# Altium PCB TB-S5D5_v1.2.PcbDoc (part 1 of 3) (continued)
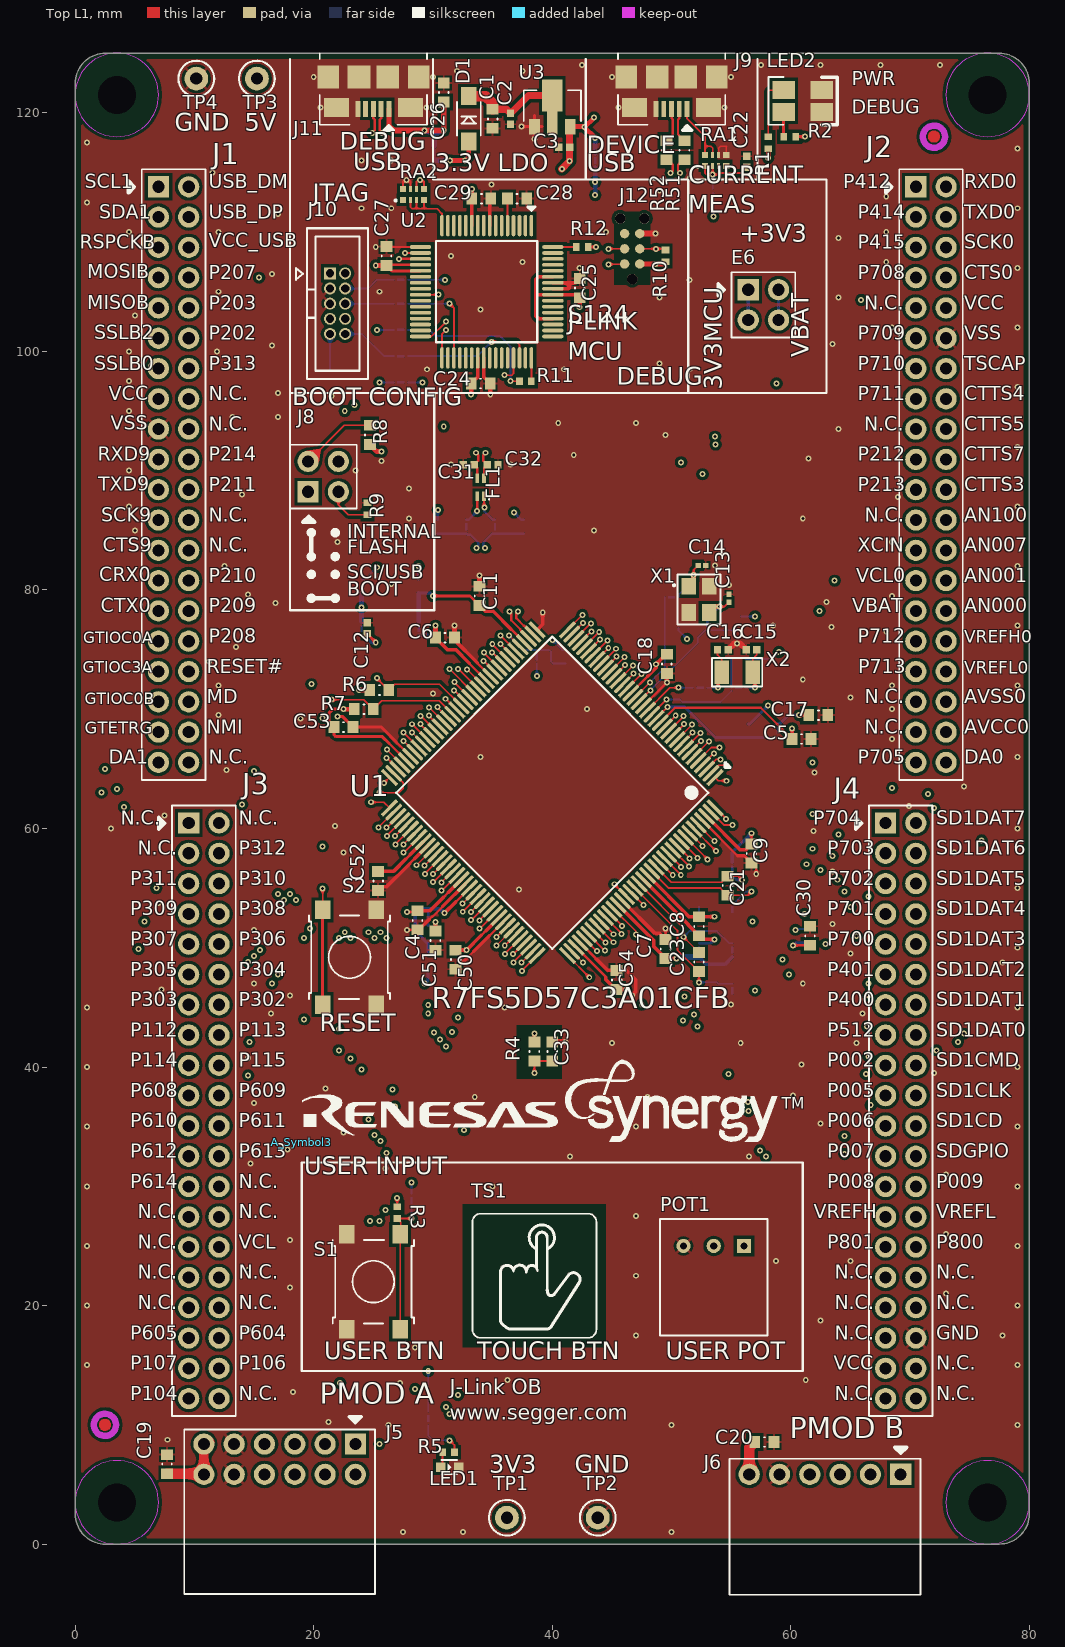
[diagram p0: Top L1 view]
## Components (designator, comment, footprint, x,y, rotation, side; value= is the part's Value field where it differs from the comment)
A_Logo1 "This BOM is for Engineering Use Only, NOT FOR PURCHASE USE." _SERIOUSENGINEERING 47,19.5 r180 bottom locked
A_Symbol1 "This Symbol Placed on PCB only." ChinaRoHS-7mm 35.4,30.8 r180 bottom
A_Symbol2 "This Symbol Placed on PCB only." RenesasSynergyLogo45x7 62.6,58.6 r180 bottom
A_Symbol3 "This Symbol Placed on PCB only." RenesasSynergyLogo42x7 19,33.7 r0 top locked
C1 "CAP-000029-01" CAPC0603-01 35,119.5 r90 top locked
C2 "CAP-000063-01" CAPC0402-01 36.5,119.5 r90 top locked
C3 "CAP-000063-01" CAPC0402-01 41,117.1 r0 top locked
C4 "CAP-000043-01" CAPC0603-01 28.7,52.3 r90 top locked
C5 "CAP-000029-01" CAPC0603-01 60.9,67.5 r0 top locked
C6 "CAP-000029-01" CAPC0603-01 31,76 r0 top locked
C7 "CAP-000029-01" CAPC0603-01 49.5,49.9 r90 top locked
C8 "CAP-000029-01" CAPC0603-01 52.3,51.8 r90 top locked
C9 "CAP-000029-01" CAPC0603-01 56.7,57.9 r270 top locked
C11 "CAP-000029-01" CAPC0603-01 33.9,79.5 r90 top locked
C12 "CAP-000062-01" CAPC0402-01 24.5,76.8 r270 top locked
C13 "CAP-000081-01" CAPC0201-01 54.8,79.3 r270 top locked
C14 "CAP-000081-01" CAPC0201-01 52.55,82.05 r180 top locked
C15 "CAP-000059-01" CAPC0402-01 56.7,75 r0 top locked
C16 "CAP-000059-01" CAPC0402-01 54.3,75 r180 top locked
C17 "CAP-000029-01" CAPC0603-01 62.3,69.5 r0 top locked
C18 "CAP-000029-01" CAPC0603-01 49.6,73.8 r270 top locked
C19 "CAP-000043-01" CAPC0603-01 7.7,6.7 r270 top locked
C20 "CAP-000043-01" CAPC0603-01 57.78,8.565 r180 top locked
C21 "CAP-000029-01" CAPC0603-01 54.7,55.2 r90 top locked
C22 "CAP-000063-01" CAPC0402-01 56.3,115.9 r270 top locked
C23 "CAP-000029-01" CAPC0603-01 52.3,48.8 r90 top locked
C24 "CAP-000029-01" CAPC0603-01 34,97.3 r180 top locked
C25 "CAP-000029-01" CAPC0603-01 42.3,105.3 r270 top locked
C26 "CAP-000029-01" CAPC0603-01 30.9,121.7 r270 top locked
C27 "CAP-000029-01" CAPC0603-01 26.1,108 r270 top locked
C28 "CAP-000043-01" CAPC0603-01 37.05,112.8 r0 top locked
C29 "CAP-000029-01" CAPC0603-01 34.05,112.8 r180 top locked
C30 "CAP-000029-01" CAPC0603-01 61.6,51 r270 top
C31 "CAP-000127-01" CAPC0402-01 33,90.5 r0 top locked
C32 "CAP-000127-01" CAPC0402-01 35,90.5 r180 top locked
C33 "CAP-000040-01" CAPC0603-01 40,41.3 r270 top locked
C50 "CAP-000029-01" CAPC0603-01 31.9,49 r270 top
C51 "CAP-000029-01" CAPC0603-01 30.2,50.6 r270 top
C52 "CAP-000029-01" CAPC0603-01 25.4,55.6 r270 top
C53 "CAP-000029-01" CAPC0603-01 22.5,68.5 r0 top locked
C54 "CAP-000029-01" CAPC0603-01 45.4,47.3 r90 top
D1 "DIO-000012-01" ONSEMI_SOD-123LF 33,119.5 r90 top locked
E1 "Jumper Trace Cut" E_PADSTRACECUT0805 43.6,116 r180 bottom locked net-tie
E2 "Jumper Trace Cut" E_PADSTRACECUT0805 38.7,74.4 r180 bottom net-tie
E3 "Jumper Trace Cut" E_PADSTRACECUT0805 29.6,10.525 r180 bottom locked net-tie
E4 "Jumper Trace Cut" E_PADSTRACECUT0805 28.2,28.8 r180 bottom net-tie
E5 "Jumper Solder Bridge" E_PADSSPLIT0805 41.1,74.4 r0 bottom
E6 "Dual Trace-Cut Jumper TH" E_2x2pTH-TC100mil 57.7,103.9 r0 top net-tie
E8 "Jumper Trace Cut" E_PADSTRACECUT0805 28.8,76.775 r180 bottom locked net-tie
E10 "Jumper Trace Cut" E_PADSTRACECUT0805 52.3,49.8 r180 bottom locked net-tie
E11 "Jumper Trace Cut" E_PADSTRACECUT0805 52.3,53.2 r180 bottom locked net-tie
E12 "Jumper Solder Bridge" E_PADSSPLIT0805 24,80.3 r0 bottom locked
E14 "Jumper Solder Bridge" E_PADSSPLIT0805 28.8,80.3 r0 bottom locked
E15 "Jumper Trace Cut" E_PADSTRACECUT0805 24,76.775 r0 bottom locked net-tie
E16 "Jumper Trace Cut" E_PADSTRACECUT0805 35.2,85.3 r180 bottom locked net-tie
E17 "Jumper Trace Cut" E_PADSTRACECUT0805 32.8,85.3 r180 bottom locked net-tie
E18 "Jumper Solder Bridge" E_PADSSPLIT0805 55.8,77.2 r180 bottom locked
E19 "Jumper Solder Bridge" E_PADSSPLIT0805 50,76.8 r90 bottom locked
E20 "Jumper Solder Bridge" E_PADSSPLIT0805 30.4,85.3 r0 bottom locked
E21 "Jumper Solder Bridge" E_PADSSPLIT0805 37.6,85.3 r0 bottom locked
E22 "Jumper Solder Bridge" E_PADSSPLIT0805 55.6,74.2 r90 bottom locked
E23 "Jumper Trace Cut" E_PADSTRACECUT0805 53,77.2 r180 bottom locked net-tie
E24 "Jumper Trace Cut" E_PADSTRACECUT0805 50,79.4 r90 bottom locked net-tie
E25 "Jumper Trace Cut" E_PADSTRACECUT0805 55.6,71.8 r90 bottom locked net-tie
E26 "Jumper Trace Cut" E_PADSTRACECUT0805 52.4,71.8 r90 bottom locked net-tie
E28 "Jumper Solder Bridge" E_PADSSPLIT0805 56.4,68.2 r180 bottom locked
E29 "Jumper Trace Cut" E_PADSTRACECUT0805 58.9,68.2 r180 bottom locked net-tie
E30 "Jumper Trace Cut" E_PADSTRACECUT0805 53.5,113 r0 bottom locked net-tie
E31 "Jumper Solder Bridge" E_PADSSPLIT0805 21.4,97.8 r0 bottom locked
E32 "Jumper Trace Cut" E_PADSTRACECUT0805 27.3,97.4 r270 bottom locked net-tie
E33 "Jumper Trace Cut" E_PADSTRACECUT0805 27.3,99.6 r270 bottom locked net-tie
E34 "Jumper Trace Cut" E_PADSTRACECUT0805 27.3,104 r270 bottom locked net-tie
E35 "Jumper Trace Cut" E_PADSTRACECUT0805 30.1,116.7 r180 bottom locked net-tie
E36 "Jumper Solder Bridge" E_PADSSPLIT0805 61.6,51 r180 bottom
E37 "Jumper Trace Cut" E_PADSTRACECUT0805 27.3,101.8 r270 bottom locked net-tie
E38 "Jumper Trace Cut" E_PADSTRACECUT0805 27.3,106 r270 bottom locked net-tie
E50 "Jumper Trace Cut" E_PadsTraceCut0805 55.1,56.6 r0 bottom net-tie
E51 "Jumper Trace Cut" E_PadsTraceCut0805 55.1,53.2 r0 bottom net-tie
E52 "Jumper Trace Cut" E_PadsTraceCut0805 55.1,49.8 r180 bottom net-tie
E53 "Jumper Trace Cut" E_PadsTraceCut0805 55.1,46.4 r0 bottom net-tie
E54 "Jumper Trace Cut" E_PadsTraceCut0805 29.6,52.7 r0 bottom net-tie
E55 "Jumper Solder Bridge" E_PadsSplit0805 29.6,49.1 r180 bottom
FL1 "IND-000027-01" FL0504 34,88.6 r90 top locked
J1 "CON-000109-A1" J_2x20pHDR100mil 8.25,89.67 r0 top locked
J2 "CON-000109-A1" J_2x20pHDR100mil 71.75,89.67 r0 top locked
J3 "CON-000109-A1" J_2x20pHDR100mil 10.79,36.33 r0 top locked
J4 "CON-000109-A1" J_2x20pHDR100mil 69.21,36.33 r0 top locked
J5 "CON-000050-01" SAMTEC_SSW-106-02-F-D-RA-PMOD 17.14,7.12 r180 top locked
J6 "CON-000148-01" SAMTEC_SSW-106-02-F-S-RA 62.86,5.85 r180 top locked
J8 "CON-000174-01" FCI_77313-801-04LF 20.8,89.5 r0 top locked
J9 "CON-000116-01" FCI_10118192 50,123 r180 top locked
J10 "CON-REN001-01" J_10PTH2CX5R 22,104 r0 top locked
J11 "CON-000116-01" FCI_10118192 25,123 r180 top locked
J12 "CON-000241-01" TC2030NL 46.7,108.6 r90 top locked
LED1 "LED-000005-01" LED_0603-RED 31.4,6.45 r0 top locked
LED2 "LED-000001-01" LED_DIALIGHT-598-8610 61,121 r0 top locked
POT1 "POT-000001-02" BOURNS_3352T 53.54,25 r180 top locked
R1 "RES-000124-01" RESC0402-01 58.1,117.5 r90 top locked
R2 "RES-000140-01" RESC0402-01 59.9,118 r180 top locked
R3 "RES-000173-01" RESC0402-01 27,27.8 r90 top
R4 "RES-000206-01" RESC0603-01 38.5,41.3 r270 top locked
R5 "RES-000124-01" RESC0402-01 31.3,7.7 r0 top locked
R6 "RES-000091-01" RESC0603-01 25.5,71.6 r180 top locked
R7 "RES-000091-01" RESC0603-01 24.2,70 r180 top locked
R8 "RES-000091-01" RESC0603-01 24.7,93 r270 top
R9 "RES-000140-01" RESC0402-01 24.5,86.8 r270 top
R10 "RES-000127-01" RESC0402-01 49.5,108 r270 top locked
R11 "RES-000220-01" RESC0402-01 37.75,97.5 r0 top locked
R12 "RES-000220-01" RESC0402-01 42.5,108.75 r180 top locked
R51 "RES-R70620-01" RESC0603-01 51.075,116.863 r90 top
R52 "RES-R70620-01" RESC0603-01 49.575,116.863 r90 top
RA1 "RES-000117-01" RESCAF0804 53.7,116 r0 top locked
RA2 "RES-000117-01" RESCAF0804 28.363,113.15 r0 top locked
S1 "SWT-000013-01" SW_C&K_PTS645_43 25,22 r90 top locked
S2 "SWT-000013-01" SW_C&K_PTS645_43 23,49.2 r270 top locked
TP1 "Test Point" TP_40milTHpad 36.19,2.215 r180 top locked
TP2 "Test Point" TP_40milTHpad 43.81,2.215 r180 top locked
TP3 "Test Point" TP_40milTHpad 15.235,122.865 r180 top locked
TP4 "Test Point" TP_40milTHpad 10.155,122.865 r180 top locked
TS1 "TOUCH_PAD_OL" RENESAS_TSP_OL 38.5,22.5 r0 top locked
U1 "ICN-R01001-01" RENESAS_PLQP0144KA-B_N 40,63 r225 top locked
U2 "ICN-000202-01" RENESAS_PLQP0064KB-A_N 34.5,105 r270 top locked
U3 "ICN-000215-01" SOT-89-3 40,120.5 r0 top locked
X1 "XTL-000011-01" TXC_7V 52.3,79.2 r270 top locked
X2 "XTL-000006-01" ABRACON_ABS07 55.5,73.1 r180 top locked

## Footprints (in the part's own frame and the unit in brackets; to place one, negate y for a bottom-side part, rotate by r counter-clockwise, add the part's x,y. Pads: shape width x height; smd on the part's side, far side on the other; paste and mask are expansions set on the pad)
_SERIOUSENGINEERING [mm] "Logo for use on PCBs"
  silkscreen extent -7.06,-0.84 7.98,1.33
ABRACON_ABS07 [mm] "ABRACON 32.768KHz Crystal ABS07"
  rect 1.2x2 smd: 1(-1.3,0) 2(1.3,0)
  silkscreen extent -2.1,-1.2 2.1,1.2, body extent -1.61,-0.75 1.61,0.77, height 0.91
BOURNS_3352T [mm] "Bourns single turn trimming potentiometer"
  rect 1.2x1.2 hole 0.6: 1(-2.54,0)
  round 1.2 hole 0.6: 2(0,0) 3(2.54,0)
  silkscreen extent -4.5,-2.25 4.5,7.5, body extent -4.44,-2.21 4.44,7.43, height 4.01
CAPC0201-01 [mm] "Chip Capacitor, Body 0.6x0.3mm, Height 0.33mm, IPC Medium Density"
  rect 0.46x0.42 smd: 1(-0.33,0) 2(0.33,0)
  body extent -0.31,-0.16 0.32,0.17, height 0.33
CAPC0402-01 [mm] "Chip Capacitor, Body 1.0x0.5mm, Height 0.6mm, IPC Medium Density"
  rect 0.62x0.62 smd: 1(-0.45,0) 2(0.45,0)
  body extent -0.55,-0.3 0.55,0.3, height 0.6
CAPC0603-01 [mm] "Chip Capacitor, Body 1.6x0.8mm, Height 0.55mm, IPC Medium Density"
  rect 0.9x1 smd: 1(-0.8,0) 2(0.8,0)
  silkscreen extent -0.05,-0.4 0.05,0.4, body extent -0.87,-0.48 0.88,0.47, height 0.55
ChinaRoHS-7mm [mm] "All currently required PCB symbol for Renesas: 10-yr China RoHS"
  silkscreen extent -4.27,-3.61 4.27,3.61
E_2x2pTH-TC100mil [mil] "0.1\" pitch 4pos 2x2, for HDR install or not, 2-4 and 1-3 connected"
  rect 70x70 hole 40: 1(-50,50)
  round 70 hole 40: 2(50,50) 3(-50,-50) 4(50,-50)
  Bot L6 region: -55,-50 -45,-50 -45,50 -55,50
  Bot L6 region: 45,-50 55,-50 55,50 45,50
  Bot L6 pour cut-out: -94.49,98.43 -94.49,-98.43 94.49,-98.43 94.49,98.43
  silkscreen extent -149,-108 105,108
E_PADSSPLIT0805 [mm] "0805 size Pads Only on PCB with 10mil space to allow separation solder bridging or 0402-0805 resistor mount"
  rrect20% 1.3x0.9 smd paste-0.6 mask+0.25: 1(0,0.575) 2(0,-0.575)
  Top L1 pour cut-out: -1,0.2 1,0.2 1,-0.2 -1,-0.2
  silkscreen extent -1.1,-1.5 1.1,1.5
E_PadsSplit0805 [mm] "0805 size Pads Only on PCB with 10mil space to allow separation solder bridging or 0402-0805 resistor mount"
  rrect20% 1.3x0.9 smd paste-0.6 mask+0.25: 1(0,0.575) 2(0,-0.575)
  Top L1 pour cut-out: -1,0.2 1,0.2 1,-0.2 -1,-0.2
  silkscreen extent -1.1,-1.5 1.1,1.5
E_PADSTRACECUT0805 [mm] "0805-size Pads only on PCB with an 8mil wide cuttable trace to allow separation"
  rrect20% 1.3x0.9 smd paste-0.6 mask+0.25: 1(0,0.575) 2(0,-0.575)
  Top L1 region: -0.1,0.3 0.1,0.3 0.1,-0.3 -0.1,-0.3
  Top L1 pour cut-out: -1,0.2 1,0.2 1,-0.2 -1,-0.2
  silkscreen extent -1.1,-1.5 1.1,1.5
E_PadsTraceCut0805 [mm] "0805-size Pads only on PCB with an 8mil wide cuttable trace to allow separation"
  rrect20% 1.3x0.9 smd paste-0.6 mask+0.25: 1(0,0.575) 2(0,-0.575)
  Top L1 region: -0.1,0.3 0.1,0.3 0.1,-0.3 -0.1,-0.3
  Top L1 pour cut-out: -1,0.2 1,0.2 1,-0.2 -1,-0.2
  silkscreen extent -1.1,-1.5 1.1,1.5
FCI_77313-801-04LF [mil] "FCI Header Male 0.1\" pitch 4pos 2x2"
  rect 70x70 hole 40: 1(-50,-50)
  round 70 hole 40: 2(-50,50) 3(50,-50) 4(50,50)
  silkscreen extent -110,-150 110,105, body extent -92,-95 92,95, height 330
FCI_10118192 [mm] "FCI USB Micro B Full SMT"
  rect 0.4x1.35 smd: 1(-1.3,2.675) 2(-0.65,2.675) 3(0,2.675) 4(0.65,2.675) 5(1.3,2.675)
  rect 2.1x1.6 smd: C1(-3.1,2.55) C2(3.1,2.55)
  rect 1.8x1.9 smd: C3(-3.8,0) C4(3.8,0)
  rect 1.9x1.9 smd: C3(-1.2,0) C4(1.2,0)
  silkscreen extent -4.5,-2 4.5,4.47, body extent -3.96,-2.76 3.96,2.9, height 2.77
FL0504 [mm] "Chip Filter, 4p, Body 1x1.25x<0.85mm,  0.55mm pitch,  IPC Medium Density"
  rect 0.8x0.3 smd: 1(-0.75,-0.275) 2(0.75,-0.275) 3(0.75,0.275) 4(-0.75,0.275)
  silkscreen extent -1.05,-0.75 -0.95,-0.65, body extent -0.63,-0.55 0.63,0.55, height 0.82
J_2x20pHDR100mil [mil] "Header Male 0.1\" pitch 40pos 2x20, NORMAL MOUNT"
  rect 70x70 hole 40: 1(-50,950)
  round 70 hole 40: 2(50,950) 3(-50,850) 4(50,850) 5(-50,750) 6(50,750) 7(-50,650) 8(50,650) 9(-50,550) 10(50,550) 11(-50,450) 12(50,450) 13(-50,350) 14(50,350) 15(-50,250) 16(50,250) 17(-50,150) 18(50,150) 19(-50,50) 20(50,50) 21(-50,-50) 22(50,-50) 23(-50,-150) 24(50,-150) 25(-50,-250) 26(50,-250) 27(-50,-350) 28(50,-350) 29(-50,-450) 30(50,-450) 31(-50,-550) 32(50,-550) 33(-50,-650) 34(50,-650) 35(-50,-750) 36(50,-750) 37(-50,-850) 38(50,-850) 39(-50,-950) 40(50,-950)
  silkscreen extent -149,-1008 105,1008, body extent -95,-992 95,992, height 329
J_10PTH2CX5R [mm] "10p TH header, shrouded with key slot, 0.05x0.05\" pitch"
  rect 1x1 hole 0.7: 1(-0.635,2.54)
  round 1 hole 0.7: 2(0.635,2.54) 3(-0.635,1.27) 4(0.635,1.27) 5(-0.635,0) 6(0.635,0) 7(-0.635,-1.27) 8(0.635,-1.27) 9(-0.635,-2.54) 10(0.635,-2.54)
  silkscreen extent -3.5,-6.32 2.55,6.32, body extent -2.58,-6.32 2.55,6.32, height 5.4
LED_0603-RED [mm] "SMT LED 0603 Red"
  rect 0.8x0.8 smd: A(-0.75,0) K(0.75,0)
  silkscreen extent -0.7,-0.6 0.6,0.6, body extent -0.8,-0.4 0.8,0.4, height 0.8
LED_DIALIGHT-598-8610 [mm] "Dialight Bicolor LED Red/Green 1210"
  rect 1.9x1.5 smd: 1(-1.6,0.925) 2(1.6,0.925) 3(-1.6,-0.925) 4(1.6,-0.925)
  silkscreen extent -2.88,-2 2.88,2, body extent -1.6,-1.35 1.6,1.35, height 0.7
ONSEMI_SOD-123LF [mm] "OnSemi Schottky Power Rectifier"
  rect 1.5x1.3 smd: A(-1.9,0) K(1.9,0)
  silkscreen extent -1.4,-1 1.4,1, body extent -1.93,-0.85 1.92,0.85, height 1.44
RENESAS_PLQP0064KB-A_N [mm] "Shrink QFP, 64-Leads, Body 10x10mm, Pitch 0.5mm, IPC Medium Density"
  oval 1.8x0.3 smd: 1(-5.55,3.75) 2(-5.55,3.25) 3(-5.55,2.75) 4(-5.55,2.25) 5(-5.55,1.75) 6(-5.55,1.25) 7(-5.55,0.75) 8(-5.55,0.25) 9(-5.55,-0.25) 10(-5.55,-0.75) 11(-5.55,-1.25) 12(-5.55,-1.75) 13(-5.55,-2.25) 14(-5.55,-2.75) 15(-5.55,-3.25) 16(-5.55,-3.75) 33(5.55,-3.75) 34(5.55,-3.25) 35(5.55,-2.75) 36(5.55,-2.25) 37(5.55,-1.75) 38(5.55,-1.25) 39(5.55,-0.75) 40(5.55,-0.25) 41(5.55,0.25) 42(5.55,0.75) 43(5.55,1.25) 44(5.55,1.75) 45(5.55,2.25) 46(5.55,2.75) 47(5.55,3.25) 48(5.55,3.75)
  oval 0.3x1.8 smd: 17(-3.75,-5.55) 18(-3.25,-5.55) 19(-2.75,-5.55) 20(-2.25,-5.55) 21(-1.75,-5.55) 22(-1.25,-5.55) 23(-0.75,-5.55) 24(-0.25,-5.55) 25(0.25,-5.55) 26(0.75,-5.55) 27(1.25,-5.55) 28(1.75,-5.55) 29(2.25,-5.55) 30(2.75,-5.55) 31(3.25,-5.55) 32(3.75,-5.55) 49(3.75,5.55) 50(3.25,5.55) 51(2.75,5.55) 52(2.25,5.55) 53(1.75,5.55) 54(1.25,5.55) 55(0.75,5.55) 56(0.25,5.55) 57(-0.25,5.55) 58(-0.75,5.55) 59(-1.25,5.55) 60(-1.75,5.55) 61(-2.25,5.55) 62(-2.75,5.55) 63(-3.25,5.55) 64(-3.75,5.55)
  silkscreen extent -7.13,-4.25 4.25,4.25, body extent -6,-6 6,6, height 1.48
RENESAS_PLQP0144KA-B_N [mm] "Shrink QFP, 144-Leads, Body 20x20mm, Pitch 0.5mm, IPC Medium Density"
  rrect50% 1.8x0.3 smd: 1(-10.55,8.75) 2(-10.55,8.25) 3(-10.55,7.75) 4(-10.55,7.25) 5(-10.55,6.75) 6(-10.55,6.25) 7(-10.55,5.75) 8(-10.55,5.25) 9(-10.55,4.75) 10(-10.55,4.25) 11(-10.55,3.75) 12(-10.55,3.25) 13(-10.55,2.75) 14(-10.55,2.25) 15(-10.55,1.75) 16(-10.55,1.25) 17(-10.55,0.75) 18(-10.55,0.25) 19(-10.55,-0.25) 20(-10.55,-0.75) 21(-10.55,-1.25) 22(-10.55,-1.75) 23(-10.55,-2.25) 24(-10.55,-2.75) 25(-10.55,-3.25) 26(-10.55,-3.75) 27(-10.55,-4.25) 28(-10.55,-4.75) 29(-10.55,-5.25) 30(-10.55,-5.75) 31(-10.55,-6.25) 32(-10.55,-6.75) 33(-10.55,-7.25) 34(-10.55,-7.75) 35(-10.55,-8.25) 36(-10.55,-8.75) 73(10.55,-8.75) 74(10.55,-8.25) 75(10.55,-7.75) 76(10.55,-7.25) 77(10.55,-6.75) 78(10.55,-6.25) 79(10.55,-5.75) 80(10.55,-5.25) 81(10.55,-4.75) 82(10.55,-4.25) 83(10.55,-3.75) 84(10.55,-3.25) 85(10.55,-2.75) 86(10.55,-2.25) 87(10.55,-1.75) 88(10.55,-1.25) 89(10.55,-0.75) 90(10.55,-0.25) 91(10.55,0.25) 92(10.55,0.75) 93(10.55,1.25) 94(10.55,1.75) 95(10.55,2.25) 96(10.55,2.75) 97(10.55,3.25) 98(10.55,3.75) 99(10.55,4.25) 100(10.55,4.75) 101(10.55,5.25) 102(10.55,5.75) 103(10.55,6.25) 104(10.55,6.75) 105(10.55,7.25) 106(10.55,7.75) 107(10.55,8.25) 108(10.55,8.75)
  rrect50% 0.3x1.8 smd: 37(-8.75,-10.55) 38(-8.25,-10.55) 39(-7.75,-10.55) 40(-7.25,-10.55) 41(-6.75,-10.55) 42(-6.25,-10.55) 43(-5.75,-10.55) 44(-5.25,-10.55) 45(-4.75,-10.55) 46(-4.25,-10.55) 47(-3.75,-10.55) 48(-3.25,-10.55) 49(-2.75,-10.55) 50(-2.25,-10.55) 51(-1.75,-10.55) 52(-1.25,-10.55) 53(-0.75,-10.55) 54(-0.25,-10.55) 55(0.25,-10.55) 56(0.75,-10.55) 57(1.25,-10.55) 58(1.75,-10.55) 59(2.25,-10.55) 60(2.75,-10.55) 61(3.25,-10.55) 62(3.75,-10.55) 63(4.25,-10.55) 64(4.75,-10.55) 65(5.25,-10.55) 66(5.75,-10.55) 67(6.25,-10.55) 68(6.75,-10.55) 69(7.25,-10.55) 70(7.75,-10.55) 71(8.25,-10.55) 72(8.75,-10.55) 109(8.75,10.55) 110(8.25,10.55) 111(7.75,10.55) 112(7.25,10.55) 113(6.75,10.55) 114(6.25,10.55) 115(5.75,10.55) 116(5.25,10.55) 117(4.75,10.55) 118(4.25,10.55) 119(3.75,10.55) 120(3.25,10.55) 121(2.75,10.55) 122(2.25,10.55) 123(1.75,10.55) 124(1.25,10.55) 125(0.75,10.55) 126(0.25,10.55) 127(-0.25,10.55) 128(-0.75,10.55) 129(-1.25,10.55) 130(-1.75,10.55) 131(-2.25,10.55) 132(-2.75,10.55) 133(-3.25,10.55) 134(-3.75,10.55) 135(-4.25,10.55) 136(-4.75,10.55) 137(-5.25,10.55) 138(-5.75,10.55) 139(-6.25,10.55) 140(-6.75,10.55) 141(-7.25,10.55) 142(-7.75,10.55) 143(-8.25,10.55) 144(-8.75,10.55)
  Top L1 pour cut-out: 9.1,11.6 9.1,9.5 -9.1,9.5 -9.1,11.6
  Top L1 pour cut-out: 11.6,-9.1 9.5,-9.1 9.5,9.1 11.6,9.1
  Top L1 pour cut-out: -9.1,-11.6 -9.1,-9.5 9.1,-9.5 9.1,-11.6
  Top L1 pour cut-out: -11.6,9.1 -9.5,9.1 -9.5,-9.1 -11.6,-9.1
  silkscreen extent -12.05,-9.25 9.25,9.25, body extent -11,-11 11,11, height 1.6
RENESAS_TSP_OL [mm] "Renesas Touch Sense Pad Self"
  Top L1 pour cut-out: -6,-6 -6,6 6,6 6,-6
  Bot L6 pour cut-out: -6,-6 -6,6 6,6 6,-6
  silkscreen extent -5.2,-5.2 5.2,5.2
RenesasSynergyLogo42x7 [mm] "Renesas Synergy Logo 42Wx6.8Hmm (0,0) is lower left corner"
  silkscreen extent 0.04,0.02 39.88,6.9
RenesasSynergyLogo45x7 [mm] "Renesas Synergy Logo 45Wx7.4Hmm"
  silkscreen extent 0,0 42.69,7.37
RESC0402-01 [mm] "Chip Resistor, Body 1.0x0.5mm, IPC Medium Density"
  rect 0.55x0.65 smd: 1(-0.5,0) 2(0.5,0)
  body extent -0.52,-0.27 0.53,0.28, height 0.4
RESC0603-01 [mm] "Chip Resistor, Body 1.6x0.8mm, IPC Medium Density"
  rect 0.9x1 smd: 1(-0.8,0) 2(0.8,0)
  silkscreen extent -0.05,-0.4 0.05,0.4, body extent -0.85,-0.47 0.85,0.47, height 0.6
RESCAF0804 [mm] "Chip Resistor Array 0804 4 x 0402"
  rect 0.525x0.5 smd mask+0.051: 1(-0.887,-0.45) 4(0.887,-0.45) 5(0.887,0.45) 8(-0.887,0.45)
  rect 0.25x0.5 smd mask+0.051: 2(-0.25,-0.45) 3(0.25,-0.45) 6(0.25,0.45) 7(-0.25,0.45)
  silkscreen extent -1.57,-0.57 -1.42,-0.43, body extent -1,-0.5 1,0.5, height 0.36
SAMTEC_SSW-106-02-F-D-RA-PMOD [mil] "SAMTEC 0.1\" Female Header Right Angle PMOD 2x6"
  rect 70x70 hole 40: 1(-250,-50)
  round 70 hole 40: 2(-150,-50) 3(-50,-50) 4(50,-50) 5(150,-50) 6(250,-50) 7(-250,50) 8(-150,50) 9(-50,50) 10(50,50) 11(150,50) 12(250,50)
  silkscreen extent -315,-140 315,445, body extent -310,-59 310,439, height 195
SAMTEC_SSW-106-02-F-S-RA [mil] "SAMTEC 0.1\" Female Header Right Angle 6pos 1x6"
  rect 70x70 hole 40: 1(-250,0)
  round 70 hole 40: 2(-150,0) 3(-50,0) 4(50,0) 5(150,0) 6(250,0)
  silkscreen extent -315,-89 315,398, body extent -310,-8 310,395, height 95
SOT-89-3 [mm] "SOT-89 3 lead, 4.60x2.60mm"
  rect 0.9x1.3 smd mask+0.051: 1(-1.5,-1.65) 3(1.5,-1.65)
  rect 0.9x1.9 smd mask+0.051: 2(0,-1.35)
  rect 1.7x2.7 smd mask+0.051: 2(0,0.95)
  silkscreen extent -2.4,-1.2 2.4,1.4, body extent -2.25,-2.25 2.25,1.75, height 1.5
SW_C&K_PTS645_43 [mm] "Push Button 6mm x 6mm"
  rect 1.55x1.3 smd: 1(-3.975,2.25) 2(3.975,2.25) 3(-3.975,-2.25) 4(3.975,-2.25)
  silkscreen extent -3.5,-3.4 3.5,3.4, body extent -4.5,-3 4.5,3, height 4.3
TC2030NL [mil] "Tag Connect pads for TC2030 No Legs"
  round 34.65 hole 34.65 unplated paste-39.37: 0(-100,0) 0(100,-40) 0(100,40)
  round 31 smd paste-39.37: 1(-50,-25) 2(-50,25) 3(0,-25) 4(0,25) 5(50,-25) 6(50,25)
TP_40milTHpad [mm] "Test Point consisting of one 40mil through-hole pad"
  round 2 hole 1.016: 1(0,0)
  silkscreen extent -1.5,-1.5 1.5,1.5
TXC_7V [mm] "TXC_7V Crystal"
  rect 1.4x1.2 smd: 1(-1.1,-0.85) 2(1.1,-0.85) 3(1.1,0.85) 4(-1.1,0.85)
  silkscreen extent -2.1,-2.15 2.1,1.8, body extent -1.65,-1.3 1.65,1.3, height 0.8

## Part data
A_Logo1: library part A_Serious_Engineering_Logo, "Combination disclaimer and Serious Integrated Design splash", Manufacturer=N/A, Mfg Part Number=(none)
A_Symbol1: library part A_Symbol_ChinaRoHS07, "China RoHs Symbol Circle-7"
A_Symbol2: library part A_Symbol_RenesasSynergy-45x7, "Renesas Synergy Logo, Std 45Wx7.4Hmm"
A_Symbol3: library part A_Symbol_RenesasSynergy-42x7, "Renesas Synergy Logo, 42Wx6.8Hmm"
C1 C5 C6 C7 C8 C9 C11 C17 C18 C21 C23 C24 C25 C26 C27 C29 C30 C50 C51 C52 C53 C54: "Ceramic Chip Capacitor 0603 0.1uF 50V", Capacitance=0.1uF, Manufacturer=Samsung, Mfg Part Number=CL10B104KB8NNNC, Package=0603, Tolerance=10%, Voltage=50V, Dialectric=X7R
C2 C3 C22: "Ceramic Chip Capacitor 0402 1uF 16V", Capacitance=1uF, Manufacturer=Samsung, Mfg Part Number=CL05A105KO5NNNC, Package=0402, Tolerance=10%, Voltage=16V, Dialectric=X5R
C4 C19 C20 C28: "Ceramic Chip Capacitor 0603 4.7uF 6.3V", Capacitance=4.7uF, Manufacturer=Samsung, Mfg Part Number=CL10A475KQ8NNNL, Package=0603, Tolerance=10%, Voltage=6.3V, Dialectric=X5R
C12: "Ceramic Chip Capacitor 0402 0.01uF 50V", Capacitance=0.01uF, Manufacturer=Samsung, Mfg Part Number=CL05B103KB5NNNC, Package=0402, Tolerance=10%, Voltage=50V, Dialectric=X7R
C13 C14: "Ceramic Chip Capacitor 0201 10pF 25V", Capacitance=10pF, Manufacturer=Samsung, Mfg Part Number=CL03C100DA3GNNC, Package=0201, Tolerance=10%, Voltage=25V, Dialectric=C0G
C15 C16: "Ceramic Chip Capacitor 0402 12pF 50V", Capacitance=12pF, Manufacturer=Samsung, Mfg Part Number=CL05C120JB5NNNC, Package=0402, Tolerance=5%, Voltage=50V, Dialectric=COG
C31 C32: "Ceramic Chip Capacitor 0402 47pF 50V NP0/C0G", Capacitance=47pF, Manufacturer=Murata, Mfg Part Number=GRM1555C1H470JA01D, Package=0402, Tolerance=5%, Voltage=50V, Dialectric=NP0
C33: "Ceramic Chip Capacitor 0603 18pF 50V", Capacitance=18pF, Manufacturer=Samsung, Mfg Part Number=CL10C180JB8NNNC, Package=0603, Tolerance=5%, Voltage=50V, Dialectric=COG
D1: "OnSemi Schottky Power Rectifier 40V 1A", Current=1A, Manufacturer=OnSemi, Mfg Part Number=MBR140SFT1G, Package=SOD-123FL, Voltage=40V, Display Name=MBR140
E1 E2 E3 E4 E8 E10 E11 E15 E16 E17 E23 E24 E25 E26 E29 E30 E32 E33 E34 E35 E37 E38 E50 E51 E52 E53 E54: library part E_JmpTraceCut, "Pads on PCB with Trace Between for Cutting to isolate"
E5 E12 E14 E18 E19 E20 E21 E22 E28 E31 E36 E55: library part E_JmpSldrBridge, "Pads on PCB with Narrow Gap to allow Solder Bridging"
E6: library part E_JmpTCx2, "Trace-Cut Jumper pair, pins 1->3 & 2->4 connected"
FL1: "Common Mode Filter Inductor, 200 ohm CM @ 100MHz", Current=0.110A, Manufacturer=Murata, Mfg Part Number=DLP11SN201HL2L, Package=FL0504, Resistance="200 @ 100MHZ", Tolerance=20%
J1 J2 J3 J4: "Header 0.1\" pitch 40pos 2x20, T<->B Inverted", Manufacturer=Sullins, Mfg Part Number=PRPC020DAAN-RC, Pitch=2.54mm, Positions=40
J5: library part CON-000050-01_P, "Samtec Female Header 0.1\" pitch PMOD 2x6 Right Angle", Manufacturer=Samtec, Mfg Part Number=SSW-106-02-F-D-RA, Pitch=2.54mm, Positions=12
J6: "Samtec Female Header 0.1\" pitch 6pos 1x6 Right Angle", Manufacturer=Samtec, Mfg Part Number=SSW-106-02-FM-S-RA, Pitch=2.54mm, Positions=6
J8: "FCI Header 0.1\" pitch 4pos 2x2", Manufacturer=FCI, Mfg Part Number=67997-404HLF, Pitch=2.54mm, Positions=4
J9 J11: "USB Micro 2.0 Female 5 Pin Right Angle", Manufacturer=FCI, Mfg Part Number=10118192-0001LF
J10: "10 Position Shrouded Header 1.27mm Pitch", Manufacturer="CNC Tech", Mfg Part Number=3220-10-0100-00, Pitch=1.27mm, Positions=10
J12: "Tag Connect TC-2030 PCB Pads 6 Pos 2x3"
LED1: "Lite-On LED Red Clear 0603", Manufacturer=Lite-On, Mfg Part Number=LTST-C191KRKT, Package=0603
LED2: "Dialight Bicolor LED Red/Green 1210", Manufacturer=Dialight, Mfg Part Number=598-8610-207F, Package=1210
POT1: "Bourns Single Turn Trimmer 10K0", Manufacturer=Bourns, Mfg Part Number=3352T-1-103LF, Package=BOURNS_3355T, Resistance=10K0, Tolerance=20%
R1 R5: "Chip Resistor Thick Film 0402 470R 0.5% 1/16W", Manufacturer=Panasonic, Mfg Part Number=ERA-2AED471X, Package=0402, Power=1/16W, Resistance=470R, Tolerance=0.5%
R2 R9: "Chip Resistor Thick Film 0402 1K50 0.5% 1/16W", Manufacturer=Panasonic, Mfg Part Number=ERA-2AED152X, Package=0402, Power=1/16W, Resistance=1K50, Tolerance=0.5%
R3: "Chip Resistor Thick Film 0402 47K0 1% 1/10W", Manufacturer=Panasonic, Mfg Part Number=ERJ-2RKF4702X, Package=0402, Power=1/10W, Resistance=47K0, Tolerance=1%
R4: "Chip Resistor Thick Film 0603 560R0 1% 1/10W", Manufacturer=Panasonic, Mfg Part Number=ERJ-3EKF5600V, Package=0603, Power=1/10W, Resistance=560R0, Tolerance=1%, Serious P/N=RES-000206-01
R6 R7 R8: "Chip Resistor Thick Film 0603 10K2 1% 1/10W", Manufacturer=NIC, Mfg Part Number=NRC06F1022TRF, Package=0603, Power=1/10W, Resistance=10K2, Tolerance=1%
R10: "Chip Resistor Thick Film 0402 4K70 0.5% 1/16W", Manufacturer=Panasonic, Mfg Part Number=ERA-2AED472X, Package=0402, Power=1/16W, Resistance=4K70, Tolerance=0.5%
R11 R12: "Chip Resistor Thick Film 0402 150R 1% 1/10W", Manufacturer=Panasonic, Mfg Part Number=ERJ-2RKF1500X, Package=0402, Power=1/10W, Resistance=150R, Tolerance=1%
R51 R52: library part RES-000210-01, "Chip Resistor Thick Film 0603 27 5% 1/10W", Manufacturer=Stackpole, Mfg Part Number=RMCF0603JT27R0, Package=0603, Power=1/10W, Resistance=27, Tolerance=5%
RA1 RA2: "Chip Resistor Array 0804 30K0 5% 1/16W 4 x 0402", Manufacturer=Panasonic, Mfg Part Number=EXB-28V303JX, Package=0804, Power=1/16W, Resistance=30K0, Tolerance=5%
S1 S2: "Push Button Switch 6 x 6mm 4.3mm High", Manufacturer=C&K, Mfg Part Number="PTS645SM43SMTR92 LFS", Serious P/N=SWT-000013-01
TP1 TP2 TP3 TP4: library part TP_TH, "Test Point, Through Hole Pad 40mil ID"
TS1: "Renesas Touch Sense Pad Outline (for non-Pad use)"
U1: "Renesas S5D5 ARM Cortex M4 120MHz MCU LQFP144", Manufacturer=Renesas, Mfg Part Number=R7FS5D57C3A01CFB#AA0, Package=LQFP-144, Architecture="ARM Ctx M4", CAN=1, Display Name=R7FS5D57C3A01CFB, FLASH CODE=1MB, FLASH DATA=32KB, Max Clock Speed=120MHz, RAM=352KB
U2: "Renesas S124 32-Bit 32MHz Cortex M0+ MCU LQFP64", Manufacturer=Renesas, Mfg Part Number=R7FS124773A01CFM#AA0, Package=LQFP-64, Architecture=32bits, CAN=1, Display Name=R7FS124773A01CFM#AA0, Ethernet=0, FLASH E2ROM=TBD, FLASH ROM=TBD, Max Clock Speed=32MHz, RAM=TBD
U3: "LDO Regulator 3.3V 600mA", Manufacturer=Diodes, Mfg Part Number=AP7215-33YG-13, Package=SOT-89-3, Display Name=AP7215-33
X1: "Crystal 12MHz 10pF", Freq Stability=+/-20ppm, Frequency=12.000MHz, Load Capacitance=10pF, Manufacturer=Abracon, Mfg Part Number=ABM8G-12.000MHZ-B4Y-T
X2: "Crystal 32.769KHz 12.5pF SMT", Freq Stability="+/- 20ppm", Frequency=32.768KHz, Load Capacitance=12.5pF, Manufacturer=Abracon, Mfg Part Number=ABS07-32.768KHZ-T

## Free pads (board coordinates)
  round 3 hole 3.175 unplated paste-1.5 mask-1.5: MH1(3.5,3.5) MH2(76.5,3.5) MH3(3.5,121.5) MH4(76.5,121.5)

## Via types
v1: diameter 0.5, hole 0.25, Top L1 to Bot L6, tented both sides, 551 vias

## Nets (pads, with @x,y where several pads share a name; then routed paths per layer and width w, separated by ;. In a path a pad name is that pad's centre, name@x,y a point inside that pad or via, vN(x,y) a via of type N, cw(c..) or ccw(c..) an arc to the next point about the centre after c; other vN are vias at no path point)
+3V3: C3.2 C19.2 C20.2 E1.1 E6.1 E6.2 J5.6 J5.12 J6.6 J10.1 POT1.1 R1.1 TP1.1 U3.3 | length 64.7
  Top L1 w0.4: U3.3@41.5,118.85 v1@42.65,118.85 ; v1(43.5,119.6) v1(42.7,118.8) v1(43.6,117.9) ; v1(58.1,116.2) R1.1@58.1,117
  Top L1 w0.6: v1(40.8,115.3) v1(41.45,115.95) C3.2@41.45,117.1 41.45,118.8 U3.3@41.5,118.85
  Top L1 w0.8: J5.12@10.79,5.85 10.79,8.095 J5.6@11.26,8.565
  Top L1 w0.9: C19.2@7.7,5.9 J5.12@10.74,5.9 ; J6.6@56.51,5.85 56.51,8.095 C20.2@56.98,8.565
  Sig L5 w0.25: POT1.1@56.08,25 56.08,24.02 56.51,23.59 J6.6@56.51,5.85
  Sig L5 w0.4: v1(42.7,118.8) v1(43.5,119.6)
  Sig L5 w0.6: J10.1@21.365,106.54 21.365,107.565 23.5,109.7 35.2,109.7 v1(41.45,115.95)
  Bot L6 w0.4: v1@42.65,118.85 v1(43.6,117.9) E1.1@43.6,116.6
+3V3JLOB: C24.2 C25.2 C27.2 C29.2 E1.2 J12.1 R10.2 U2.11 U2.20 U2.21 U2.39 U2.52 U2.56 U2.59 | length 40.8
  Top L1 w0.2: C27.2@26.1,107.25 U2.20@28.95,107.25
  Top L1 w0.25: C27.2@26.1,107.2 26.55,106.75 U2.21@28.95,106.75
  Top L1 w0.3: C24.2@33.2,97.3 33.75,97.85 U2.39@33.75,99.45 ; U2.11@33.25,110.55 C29.2@33.25,112.8 ; U2.52@40.05,102.75 38.85,102.75 38.6,103 38.6,104.75 ; U2.59@40.05,106.25 38.85,106.25 38.6,106 38.6,104.75 ; C25.2@42.3,104.5 42.05,104.75 38.6,104.75
  Top L1 w0.4: v1(25.2,107.2) C27.2@26.1,107.2 ; v1(33.2,96.4) C24.2@33.2,97.3 ; C29.2@33.25,112.8 v1(33.25,113.6) ; v1(42.3,103.7) C25.2@42.3,104.5 ; J12.1@47.335,107.33 v1@48.57,107.33 ; v1(48.67,107.33) 49.33,107.33 R10.2@49.5,107.5
  Sig L5 w0.4: v1(43.6,114.2) v1(43.6,113.1) 47.7,113.1 49.6,111.2 49.6,107.7 49.23,107.33 v1(48.67,107.33)
  Bot L6 w0.4: v1(43.6,113.1) v1(43.6,114.2) E1.2@43.6,115.425
+3V3MCU: C4.2 C6.1 C7.1 C9.1 C18.1 C50.1 C53.1 C54.1 E6.3 E8.2 E10.2 E50.2 E52.2 J1.15 J2.10 J4.37 R3.2 R6.2 R7.2 R8.2 U1.21 U1.49 U1.68 U1.90 U1.99 U1.111 U1.121 U1.142 | length 64.9
  Top L1 w0.15: R3.2@27,28.3 v1(27,29) ; v1(27.8,53) 28.6,53 C4.2@28.7,53.1 ; C7.1@49.5,49.1 v1(50.4,49.1) ; C9.1@56.7,58.7 v1(56.7,59.6)
  Top L1 w0.2: 26.327,67.127 U1.68@27.767,65.687 ; 30.873,54.227 31.282,54.636 ; 33.045,73.845 U1.49@34.485,72.405 ; 34.046,51.036 34.455,51.445 ; U1.111@41.98,50.06 44.5,47.54 ; U1.21@46.576,71.344 48.016,72.784
  Top L1 w0.25: v1(22.5,70) 21.6,70 21.3,69.7 21.3,68.9 C53.1@21.7,68.5 21.7,67.85 21.85,67.7 25.754,67.7 26.327,67.127
  Top L1 w0.3: C4.2@28.7,53.1 29.746,53.1 30.873,54.227 ; C6.1@30.2,76 31.2,75 31.9,75 33.05,73.85 ; 31.282,54.636 U1.90@32.363,55.717 ; C50.1@31.9,49.8 v1(32.81,49.8) 34.046,51.036 ; 34.455,51.445 U1.99@35.545,52.535 ; 44.5,47.54 44.5,47.325 C54.1@45.325,46.5 ; C54.1@45.4,46.5 v1(46.2,46.5) ; U1.121@45.515,53.595 48.5,50.611 48.5,50.1 C7.1@49.5,49.1 ; 48.016,72.784 48.7,73.468 v1(48.7,73.768) 49.532,74.6 C18.1@49.6,74.6 ; U1.142@52.94,61.02 55.76,58.2 56.2,58.2 C9.1@56.7,58.7
  Top L1 w0.4: v1(22.5,70) R7.2@23.4,70 ; v1(23.8,71.6) R6.2@24.7,71.6 ; R8.2@24.7,92.2 25.3,91.6 v1(25.7,91.6) ; C6.1@30.2,76 v1(30.2,77)
  Bot L6 w0.3: E8.2@28.8,76.2 29.725,76.2 30.2,76.675 v1(30.2,77) ; E10.2@52.3,49.225 52.925,48.6 54.475,48.6 E52.2@55.1,49.225 ; E50.2@55.1,57.175 55.1,58 v1(56.7,59.6)
  Bot L6 w0.5: v1(50.4,49.1) 50.525,49.225 E10.2@52.3,49.225
+5V: C1.2 C2.2 D1.K U3.2 | length 10.8
  Top L1 w0.6: C1.2@35,120.3 36.15,120.3 C2.2@36.5,119.95 38,121.45 U3.2@40,121.45 U3.2@40,119.15
  Top L1 w0.9: D1.K@33,121.4 34.4,121.4 35,120.8 C1.2@35,120.3
+5V_JUSB: D1.A E35.2 TP3.1 | length 5.7
  Top L1 w0.4: v1(31.423,116) v1(32.7,116) 33,116.3 D1.A@33,117.6
  Bot L6 w0.4: E35.2@30.1,116.125 30.225,116 v1(31.423,116) v1(32.7,116)
AVCC0: C8.1 E10.1 J2.38 U1.127 | length 44.3
  Top L1 w0.3: U1.127@47.637,55.717 51.4,51.954 51.4,51.9 C8.1@52.3,51 52.6,50.7 v1(53.6,50.7)
  Sig L2 w0.15: v1(65.5,51) 66,51.5 66,65.5 67.4,66.9 71.84,66.9 J2.38@73.02,68.08
  Sig L5 w0.15: v1(53.6,50.7) 53.9,51 v1(65.5,51)
  Bot L6 w0.2: E10.1@52.3,50.375 53.275,50.375 v1(53.6,50.7)
AVSS0: C8.2 E11.2 J2.36 U1.128 | length 42.7
  Top L1 w0.3: U1.128@47.99,56.07 51.461,52.6 C8.2@52.3,52.6 v1(53.6,52.6)
  Sig L2 w0.15: v1(65,53.4) 65.5,53.9 65.5,66.7 68.1,69.3 71.7,69.3 J2.36@73.02,70.62
  Sig L5 w0.15: v1(53.6,52.6) 56.2,52.6 57,53.4 v1(65,53.4)
  Bot L6 w0.3: E11.2@52.3,52.625 52.325,52.6 v1(53.6,52.6)